# Altium PCB 2019主控板v1.2.PcbDoc
Units mil, origin at the board's own origin, x right, y up, seen from the top; angles counter-clockwise.
Board outline 4475.03 x 3396.53 mil, 2 copper layers (Top Layer, Bottom Layer); 71 components, 140 nets, 418 pads, 77 vias.
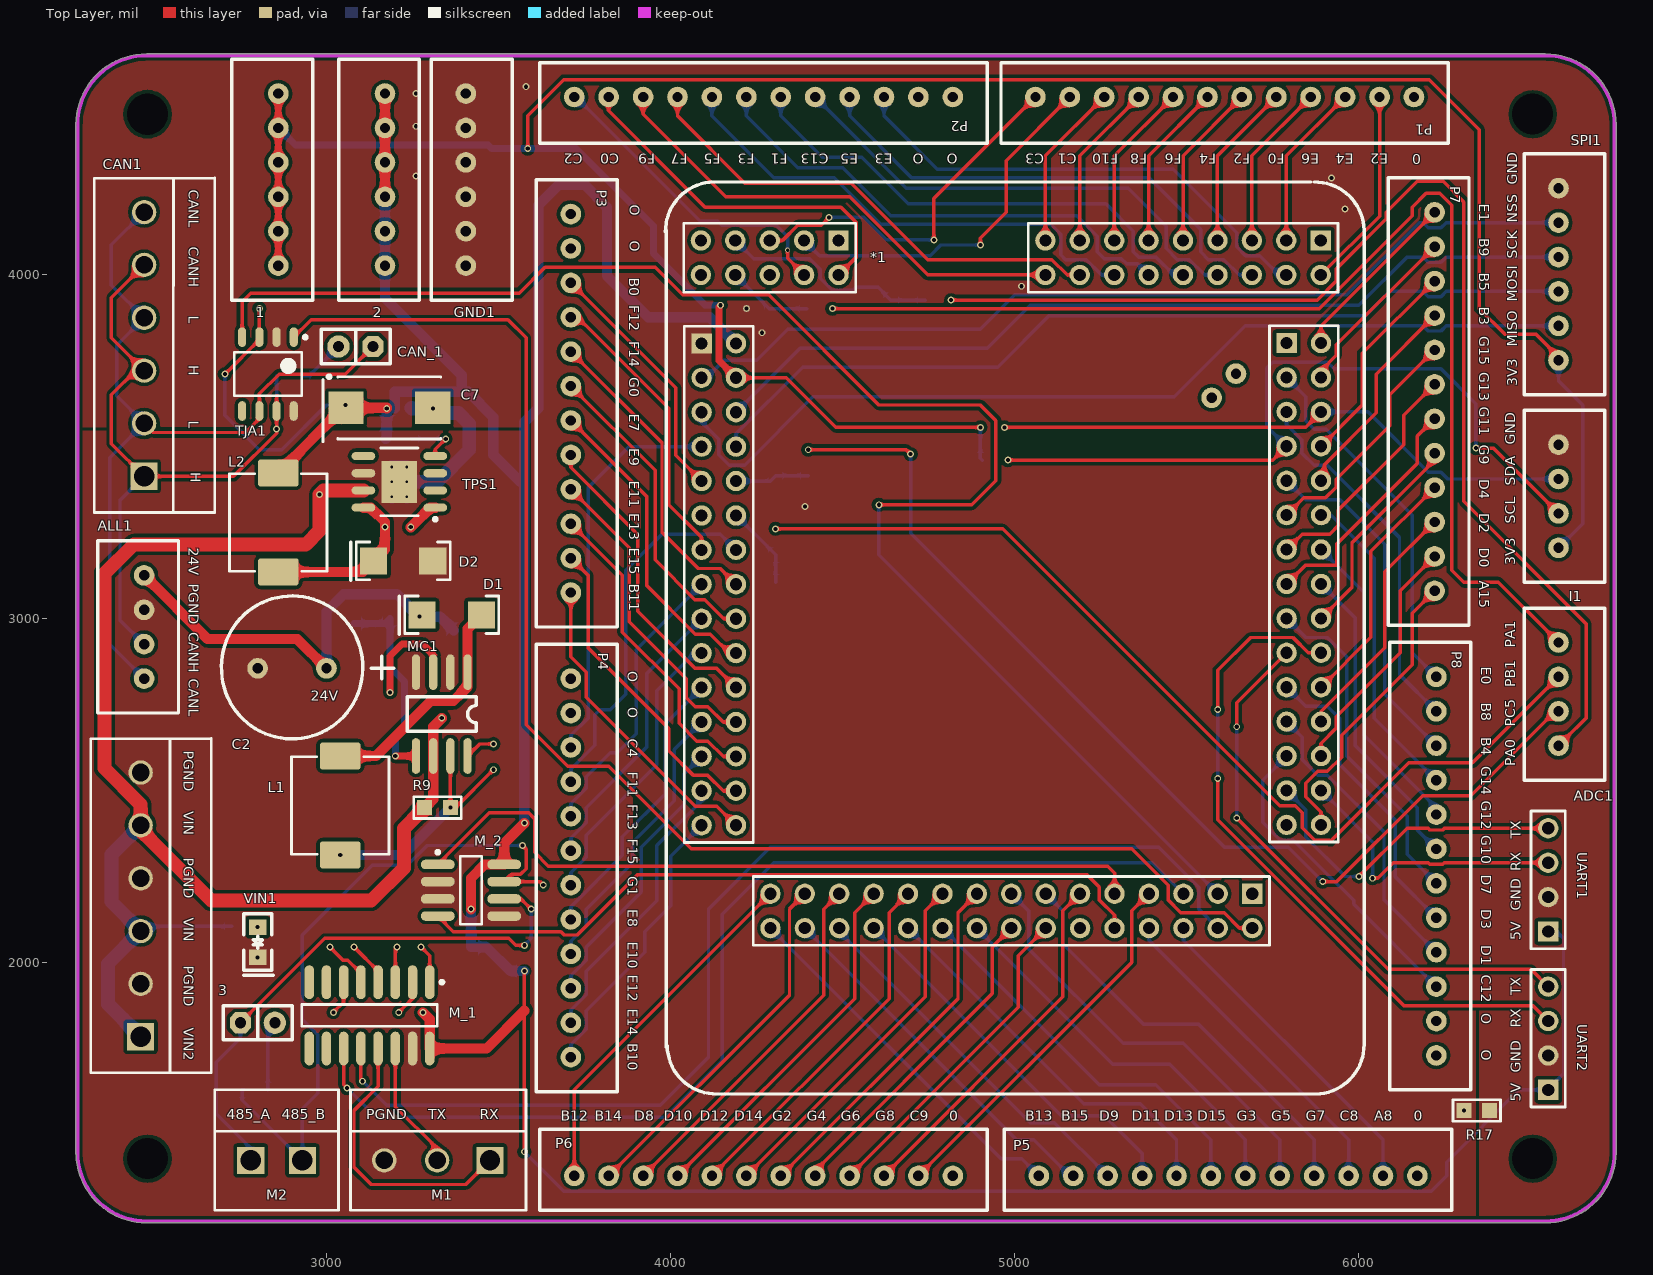
[diagram p0: Top Layer view]
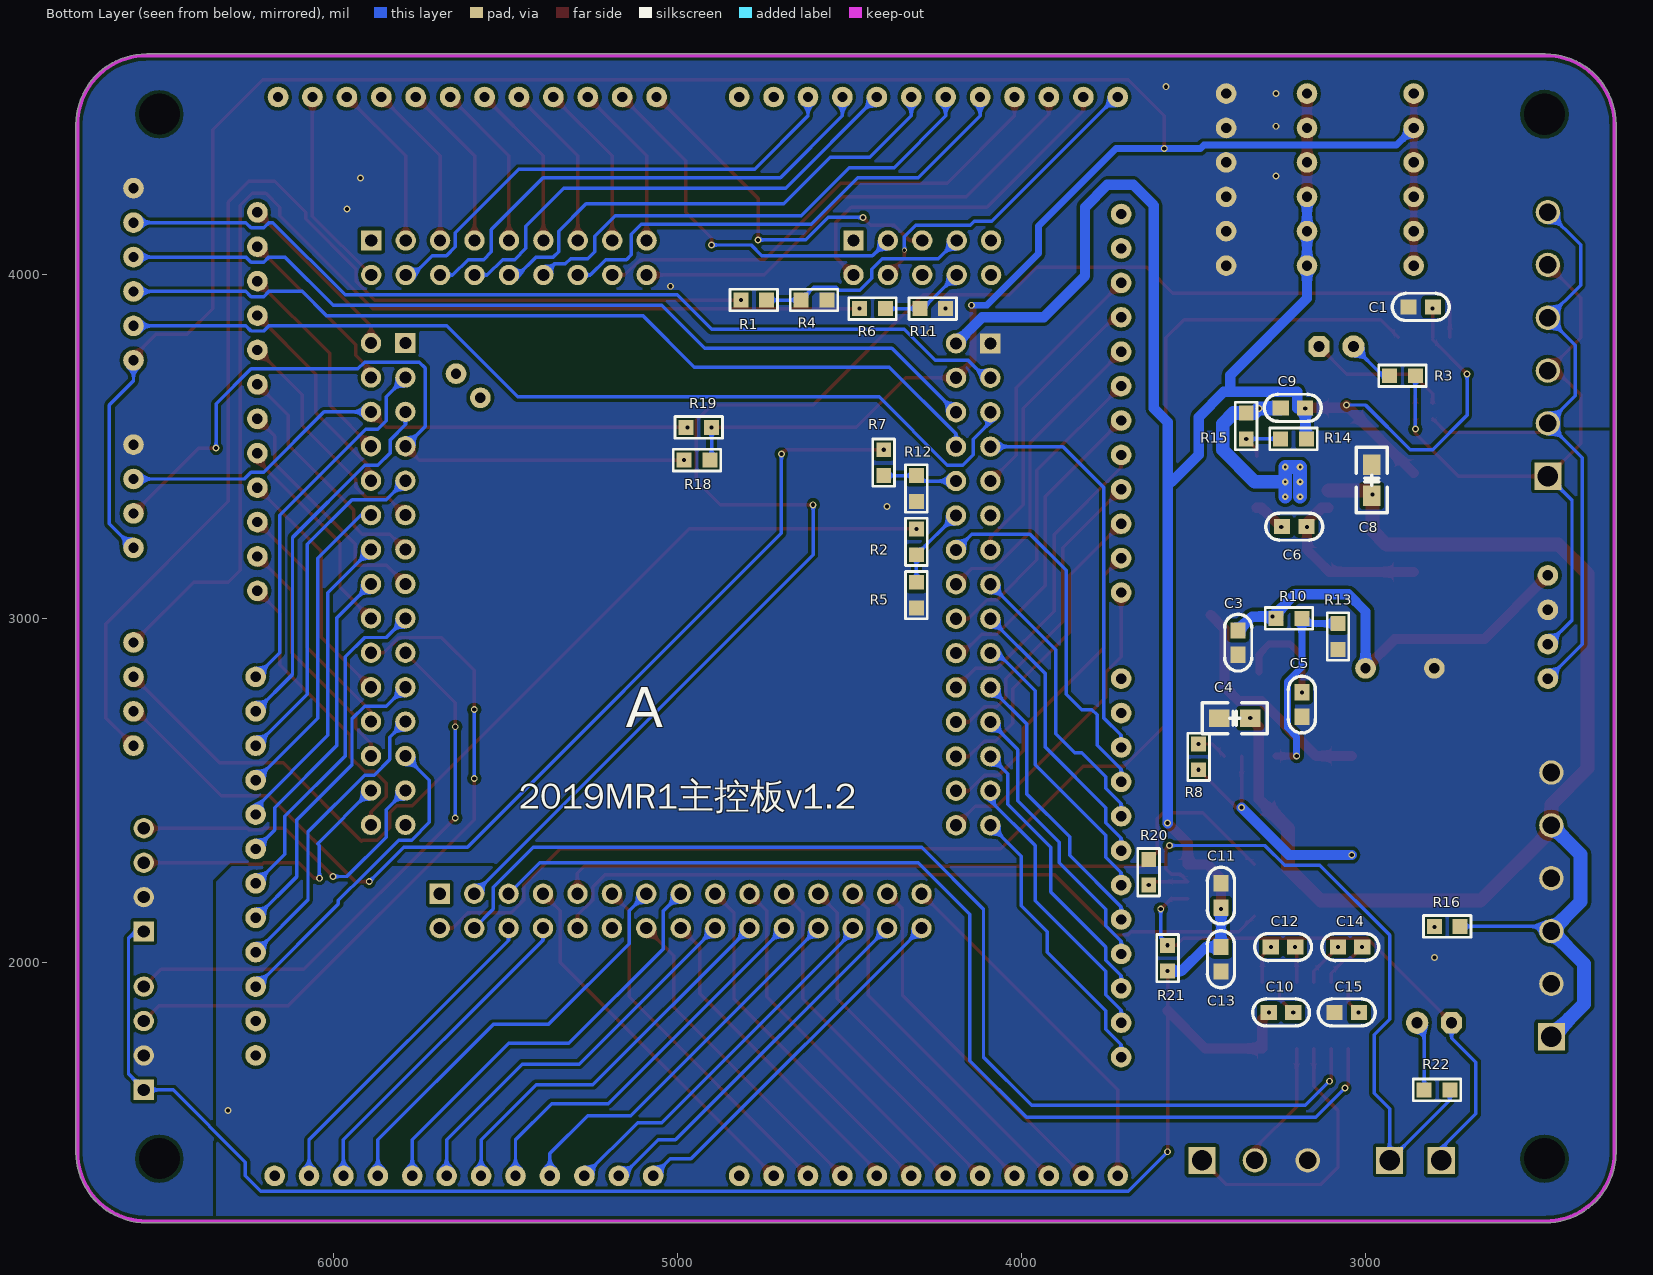
[diagram p1: Bottom Layer view, seen from below]

## Layer stack, top to bottom
Top Solder: solder mask 0.4, Solder Resist, Dk 3.5
Top Layer: signal copper 1.4
Dielectric 1: dielectric 12.6, FR-4, Dk 4.8
Bottom Layer: signal copper 1.4
Bottom Solder: solder mask 0.4, Solder Resist, Dk 3.5

## Board outline
2272.1,1442.88 2272.1,4432.91 cw(c2277.12,4432.91) 2272.21,4433.93 cw(c2277.1,4435.01) 2272.09,4435.01 cw(c2477.1,4435.01) 2477.1,4640.03 cw(c2477.1,4635.01) 2477.44,4640.02 6444.68,4640.02 cw(c6445.01,4635.01) 6445.01,4640.03 6542.1,4640.03 cw(c6542.1,4435.01) 6747.12,4435.01 6747.12,1448.52 cw(c6542.1,1448.52) 6542.1,1243.5 2477.12,1243.5 cw(c2477.12,1448.52) 2272.21,1441.85 cw(c2277.12,1442.88)

## Design rules (kind name [scope] priority, off if disabled: settings)
Clearance [All] p1: gap=10 ignorepadtopadclearanceinfootprint=FALSE except(0: Arc-Hole Track-Hole SMDPad-Hole THPad-Hole Via-Hole Fill-Hole Poly-Hole Region-Hole Text-Hole)
PlaneConnect [All] p1: planeconnectstyle=Direct reliefexpansion=20 reliefentries=4 reliefconductorwidth=10 reliefairgap=10
PolygonConnect [All] p1: connectstyle=Direct reliefconductorwidth=10 reliefentries=4 polygonreliefangle="90 Angle" airgapwidth=10
RoutingVias [All] p1: holewidth=12 width=20 viastyle="Through Hole" minholewidth=28 minwidth=50 maxholewidth=28 maxwidth=50
SolderMaskExpansion [All] p1: expansion=4
Width [All] p1: maxlimit=100 minlimit=10 preferedwidth=10 minimp=50.000000 maximp=50.000000 favimp=50.000000
29 further rules are at their usual default settings.

## Components (designator, comment, footprint, x,y, rotation, side; value= is the part's Value field where it differs from the comment)
1 "Header 6" XH-2.54PIN6 1335,-24205 r270 top
2 "Header 6" XH-2.54PIN6 1645,-24205 r270 top
3 "Header 2" SIP2 2850,1825 r180 top
*1 "STM32F407" STM32F407 5080,3178 r270 top
ADC1 "Header 4" XH-2.54pin4 6225,1435 r90 top
ALL1 "Header 4" XH-2.54pin4 2825,4320 r270 top
C1 "Cap" CAP-MLCC-0603 2875,3905 r0 bottom value=0.1uF
C2 "100uF" C_ELE 3000,2855 r180 top value=*μF
C3 "Cap" CAP-MLCC-0603 3370,2894.13 r270 bottom value=0.1uF
C4 "Cap" 0805C 3425,2710 r180 bottom value=10uF
C5 "Cap" CAP-MLCC-0603 3185,2714.13 r270 bottom value=470pF
C6 "Cap" CAP-MLCC-0603 3242.52,3266.69 r0 bottom value=0.1uF
C7 "Cap Pol1" CAP-TAN-7343/CAPD 3056.65,3611.69 r0 top value=220uF
C8 "Cap" 0805C 2981.65,3446.69 r270 bottom value=10uF
C9 "Cap" CAP-MLCC-0603 3246.65,3611.69 r0 bottom value=0.1uF
C10 "0.1μF" CAP-MLCC-0603 3210,1855 r180 bottom value=*μF
C11 "0.1μF" CAP-MLCC-0603 3420,2159.13 r270 bottom value=*μF
C12 "0.1μF" CAP-MLCC-0603 3204.13,2045 r180 bottom value=*μF
C13 "0.1μF" CAP-MLCC-0603 3420,2045 r90 bottom value=*μF
C14 "0.1μF" CAP-MLCC-0603 3009.13,2045 r180 bottom value=*μF
C15 "0.1μF" CAP-MLCC-0603 3090,1855 r0 bottom value=*μF
CAN1 "Header 6" Green_6P 2375,3487.91 r90 top
CAN_1 "Header 2" SIP2 3035,3790 r0 top
D1 "Diode" SS34 3366.35,3014 r0 top
D2 "Diode" SS34 3225.25,3170.69 r0 top
GND1 "Header 6" XH-2.54PIN6 4930,32755 r90 top
I1 "Header 4" XH-2.54pin4 6225,2010 r90 top
L1 "Inductor" CD74 3036.27,2451.03 r180 top value=170uH
L2 "Inductor" CD74 2863.73,3283.97 r0 top value=47uH
M1 "Header 3" Green_3P 3400,1330 r180 top
M2 "Header 2" Green_2P 2855,1330 r180 top
M_1 "MAX232" SO-16_M 3125,1846.46 r270 top
M_2 "IC-MAX485" SO8_M 3420,2210 r0 top
MC1 "MC34063" SO8 3410,2843.81 r270 top
P1 "Header 12" XH-2.54PIN12 6090,4665 r0 top
P2 "Header 12" XH-2.54PIN12 4750,4665 r0 top
P3 "Header 12" XH-2.54PIN12 3560,4105 r90 top
P4 "Header 12" XH-2.54PIN12 3560,2755 r90 top
P5 "Header 12" XH-2.54PIN12 5140,1230 r180 top
P6 "Header 12" XH-2.54PIN12 3790,1230 r180 top
P7 "Header 12" XH-2.54PIN12 6370,3150 r270 top
P8 "Header 12" XH-2.54PIN12 6375,1800 r270 top
R1 "Res1" RES-0603 4740.2,3925 r180 bottom value=10K
R2 "Res1" RES-0603 4305,3185 r270 bottom value=10K
R3 "120Ω" RES-0603 2930,3705 r0 bottom value=*kΩ
R4 "Res1" RES-0603 4565.2,3925 r180 bottom value=10K
R5 "Res1" RES-0603 4305,3030.2 r270 bottom value=10K
R6 "Res1" RES-0603 4395.2,3900 r180 bottom value=10K
R7 "Res1" RES-0603 4400,3415.2 r270 bottom value=10K
R8 "Res1" RES-0603 3485,2560.2 r270 bottom value=180
R9 "Res1" RES-0603 3285.2,2450 r180 top value=0.22
R10 "Res1" RES-0603 3259.8,3000 r0 bottom value=19K
R11 "Res1" RES-0603 4220,3900 r180 bottom value=10K
R12 "Res1" RES-0603 4305,3340.2 r270 bottom value=10K
R13 "Res1" RES-0603 3080,2984.8 r90 bottom value=2.2K
R14 "Res1" RES-0603 3246.65,3521.69 r0 bottom value=10K
R15 "Res1" RES-0603 3346.65,3596.5 r90 bottom value=3.3K
R16 "Res1" RES-0603 2800,2105 r0 bottom value=10K
R17 "Res1" RES-0603 6305,1570 r180 top value=0
R18 "10k" RES-0603 4905.2,3460 r180 bottom value=*kΩ
R19 "10K" RES-0603 4900.2,3555 r180 bottom value=*kΩ
R20 "330" RES-0603 3630,2299.61 r90 bottom value=*kΩ
R21 "330" RES-0603 3575,2050 r90 bottom value=*kΩ
R22 "120Ω" RES-0603 2829.8,1630 r0 bottom value=*kΩ
SPI1 "Header 6" XH-2.54PIN6 8105,32480 r90 top
TJA1 "TJA1050" TJA1050 2830,3710 r270 top
TPS1 "TPS5430" TPS5430 3211.65,3396.69 r180 top
UART1 "Header 4" HDR1X4 6550,2090 r90 top
UART2 "Header 4" HDR1X4 6550,1630 r90 top
VIN1 "lED" 0805D 2800,2103 r270 top
VIN2 "Header 6" Green_6P 2365,1859.37 r90 top

## Footprints (in the part's own frame and the unit in brackets; to place one, negate y for a bottom-side part, rotate by r counter-clockwise, add the part's x,y. Pads: shape width x height; smd on the part's side, far side on the other; paste and mask are expansions set on the pad)
0805C [mil]
  rect 60x50 smd: 1(0,0) 2(90,0)
  silkscreen extent -50,-45 140,45
0805D [mil]
  rect 45x50 smd: A(0,0) K(88,0)
  silkscreen extent -39,-41 140,45, body extent 5,-25 85,24, height 43
C_ELE [mil]
  round 60 hole 30: 1(0,0) 2(200,0)
  silkscreen extent -195,-210 305,205
CAP-MLCC-0603 [mm]
  rect 1.2x1.1 smd: 1(0,0) 2(-1.8,0)
  silkscreen extent -3,-1 1.2,1, body extent -1.77,-0.47 -0.02,0.48, height 0.85
CAP-TAN-7343/CAPD [mm]
  rect 2.6x2.4 smd: 1(0,0) 2(6.4,0)
  silkscreen extent -1.7,-2.5 7,2.42
CD74 [mm]
  rrect20% 3x2 smd: 1(-0.095,-3.784) 2(-0.095,3.516)
  silkscreen extent -3.69,-3.73 3.51,3.47, body extent -3.68,-3.71 3.51,3.45, height 4
Green_2P [mm]
  rect 2x2 hole 1.5: 1(-1.905,-2.413) 2(1.905,-2.413)
  silkscreen extent -4.57,-7.62 4.57,1.27
Green_3P [mm]
  rect 2x2 hole 1.5: 1(-1.905,-2.413)
  round 1.8 hole 1.3: 2(1.995,-2.413) 3(5.895,-2.413)
  silkscreen extent -4.57,-7.62 8.38,1.27
Green_6P [mm]
  rect 2x2 hole 1.5: 1(-1.905,-2.413)
  round 1.8 hole 1.3: 2(1.995,-2.413) 3(5.895,-2.413) 4(9.795,-2.413) 5(13.695,-2.413) 6(17.595,-2.413)
  silkscreen extent -4.57,-7.63 20.12,1.27
HDR1X4 [mm] "Connector; Header; 4 Position"
  rect 1.5x1.5 hole 0.9: 1(0,0)
  round 1.5 hole 0.9: 2(2.54,0) 3(5.08,0) 4(7.62,0)
  silkscreen extent -1.27,-1.27 8.89,1.27
RES-0603 [mm]
  rect 1.1x1.1 smd: 1(0,0) 2(-1.9,0)
  silkscreen extent -2.7,-0.8 0.8,0.8, body extent -1.8,-0.47 -0.1,0.48, height 0.6
SIP2 [mil]
  round 65 hole 32: 1(0,0)
  oct 62x62 hole 32: 2(100,0)
  silkscreen extent -50,-50 150,50
SO8 [mil]
  oval 103.62x24 smd: 1(0.19,0) 2(0.19,-50) 3(0.19,-100) 4(0.19,-150) 5(243.81,-150) 6(243.81,-100) 7(243.81,-50) 8(243.81,0)
  silkscreen extent 72,-175 172,25
SO8_M [mm] "SOIC, 8-Leads, Body 4.9x3.9mm, Pitch 1.27mm, IPC Low Density"
  oval 2.5x0.7 smd: 1(-2.45,1.905) 2(-2.45,0.635) 3(-2.45,-0.635) 4(-2.45,-1.905) 5(2.45,-1.905) 6(2.45,-0.635) 7(2.45,0.635) 8(2.45,1.905)
  silkscreen extent -2.57,-2.5 0.8,2.93, body extent -2,-2.5 2,2.5, height 1.75
SO-16_M [mm] "SOIC, 16-Leads, Body 9.9x3.9mm, Pitch 1.27mm, IPC Low Density"
  oval 2.5x0.7 smd: 1(-2.45,4.445) 2(-2.45,3.175) 3(-2.45,1.905) 4(-2.45,0.635) 5(-2.45,-0.635) 6(-2.45,-1.905) 7(-2.45,-3.175) 8(-2.45,-4.445) 9(2.45,-4.445) 10(2.45,-3.175) 11(2.45,-1.905) 12(2.45,-0.635) 13(2.45,0.635) 14(2.45,1.905) 15(2.45,3.175) 16(2.45,4.445)
  silkscreen extent -2.57,-5 0.8,5.47, body extent -2,-5 2,5, height 1.75
SS34 [mm]
  rect 2x2 smd: A(2.125,-0.102) K(-2.25,-0.102)
  silkscreen extent -3.94,-1.52 3.4,1.3, body extent -2.48,-1.48 2.37,1.3, height 1.4
STM32F407 [mm]
  rect 1.5x1.5 hole 0.9: 1(-23.368,20.549) 19(-23.368,-15.037) 29(-15.773,-25.146) 59(24.841,15.494) 89(-15.799,18.034)
  round 1.5 hole 0.9: 2(-20.828,20.549) 3(-23.368,18.009) 4(-20.828,18.009) 5(-23.368,15.469) 6(-20.828,15.469) 7(-23.368,12.929) 8(-20.828,12.929) 9(-23.368,10.389) 10(-20.828,10.389) 11(-23.368,7.849) 12(-20.828,7.849) 13(-23.368,5.309) 14(-20.828,5.309) 15(-23.368,2.769) 16(-20.828,2.769) 17(-23.368,0.229) 18(-20.828,0.229) 20(-20.828,-15.037) 21(-23.368,-17.577) 22(-20.828,-17.577) 23(-23.368,-20.117) 24(-20.828,-20.117) 25(-23.368,-22.657) 26(-20.828,-22.657) 27(-23.368,-25.197) 28(-20.828,-25.197) 30(-15.773,-22.606) 31(-13.233,-25.146) 32(-13.233,-22.606) 33(-10.693,-25.146) 34(-10.693,-22.606) 35(-8.153,-25.146) 36(-8.153,-22.606) 37(-5.613,-25.146) 38(-5.613,-22.606) 39(-3.073,-25.146) 40(-3.073,-22.606) 41(-0.533,-25.146) 42(-0.533,-22.606) 43(2.007,-25.146) 44(2.007,-22.606) 45(4.547,-25.146) 46(4.547,-22.606) 47(7.087,-25.146) 48(7.087,-22.606) 49(9.627,-25.146) 50(9.627,-22.606) 51(12.167,-25.146) 52(12.167,-22.606) 53(14.707,-25.146) 54(14.707,-22.606) 55(17.247,-25.146) 56(17.247,-22.606) 57(19.787,-25.146) 58(19.787,-22.606) 60(27.381,15.494) 61(24.841,12.954) 62(27.381,12.954) 63(24.841,10.414) 64(27.381,10.414) 65(24.841,7.874) 66(27.381,7.874) 67(24.841,5.334) 68(27.381,5.334) 69(24.841,2.794) 70(27.381,2.794) 71(24.841,0.254) 72(27.381,0.254) 73(24.841,-2.286) 74(27.381,-2.286) 75(24.841,-4.826) 76(27.381,-4.826) 77(24.841,-7.366) 78(27.381,-7.366) 79(24.841,-9.906) 80(27.381,-9.906) 81(24.841,-12.446) 82(27.381,-12.446) 83(24.841,-14.986) 84(27.381,-14.986) 85(24.841,-17.526) 86(27.381,-17.526) 87(24.841,-20.066) 88(27.381,-20.066) 90(-15.799,20.574) 91(-13.259,18.034) 92(-13.259,20.574) 93(-10.719,18.034) 94(-10.719,20.574) 95(-8.179,18.034) 96(-8.179,20.574) 97(-5.639,18.034) 98(-5.639,20.574) 99(-3.099,18.034) 100(-3.099,20.574) 101(-0.559,18.034) 102(-0.559,20.574) 103(1.981,18.034) 104(1.981,20.574) 105(4.521,18.034) 106(4.521,20.574) 107(7.061,18.034) 108(7.061,20.574) 109(9.601,18.034) 110(9.601,20.574) 111(12.141,18.034) 112(12.141,20.574) 113(14.681,18.034) 114(14.681,20.574) 115(17.221,18.034) 116(17.221,20.574) 117(19.761,18.034) 118(19.761,20.574)
  round 1.524 hole 0.762: 119(-13.538,14.293) 120(-11.76,12.497)
  silkscreen extent -27.69,-27.81 39.62,23.75
TJA1050 [mm] "SOIC, 8-Leads, Body 4.90x3.90mm, Pitch 1.27mm, IPC Medium Density"
  oval 1.45x0.6 smd: 1(-2.725,1.905) 2(-2.725,0.635) 3(-2.725,-0.635) 4(-2.725,-1.905) 5(2.725,-1.905) 6(2.725,-0.635) 7(2.725,0.635) 8(2.725,1.905)
  silkscreen extent -2.85,-2.5 1.6,2.88, body extent -2,-2.5 2,2.5, height 1.75
TPS5430 [mm]
  oval 1.75x0.6 smd: 1(-2.65,1.905) 2(-2.65,0.635) 3(-2.65,-0.635) 4(-2.65,-1.905) 5(2.65,-1.905) 6(2.65,-0.635) 7(2.65,0.635) 8(2.65,1.905)
  rect 2.6x3.1 smd: 9(0,0)
  silkscreen extent -2.78,-2.5 1.38,2.88, body extent -2,-2.5 2,2.5, height 1.7
XH-2.54pin4 [mil]
  round 60 hole 30: 1(1195,-355) 2(1295,-355) 3(1395,-355) 4(1495,-355)
  silkscreen extent 1095,-490 1595,-255
XH-2.54PIN6 [mil]
  round 60 hole 30: 1(-28730,1525) 2(-28630,1525) 3(-28530,1525) 4(-28430,1525) 5(-28330,1525) 6(-28230,1525)
  silkscreen extent -28830,1390 -28130,1625
XH-2.54PIN12 [mil]
  round 60 hole 30: 1(-1030,-150) 2(-930,-150) 3(-830,-150) 4(-730,-150) 5(-630,-150) 6(-530,-150) 7(-430,-150) 8(-330,-150) 9(-230,-150) 10(-130,-150) 11(-30,-150) 12(70,-150)
  silkscreen extent -1130,-285 170,-50

## Part data
1 2 CAN1 GND1 SPI1 VIN2: "Header, 6-Pin", LatestRevisionDate=17-Jul-2002, LatestRevisionNote="Re-released for DXP Platform.", Publisher="Altium Limited"
3 CAN_1 M2: "Header, 2-Pin", LatestRevisionDate=17-Jul-2002, LatestRevisionNote="Re-released for DXP Platform.", Publisher="Altium Limited"
ADC1 ALL1 I1 UART1 UART2: "Header, 4-Pin", LatestRevisionDate=17-Jul-2002, LatestRevisionNote="Re-released for DXP Platform.", Publisher="Altium Limited"
C1 C3 C4 C5 C6 C8 C9: "Capacitor", LatestRevisionDate=17-Jul-2002, LatestRevisionNote="Re-released for DXP Platform.", PackageReference=RAD-0.3, Published=8-Jun-2000, Publisher="Altium Limited"
C2: library part CAP-ELE, "电解电容", LatestRevisionDate=17-Jul-2002, LatestRevisionNote="Re-released for DXP Platform.", PackageDescription="Polarized Capacitor (Radial); 2 Leads", PackageReference=RB7.6-15, Published=8-Jun-2000, Publisher="Altium Limited"
C7: "Polarized Capacitor (Radial)", LatestRevisionDate=17-Jul-2002, LatestRevisionNote="Re-released for DXP Platform.", PackageReference=RB7.6-15, Published=8-Jun-2000, Publisher="Altium Limited"
C10 C11 C12 C13 C14 C15: library part CAP, "无极性电容", LatestRevisionDate=17-Jul-2002, LatestRevisionNote="Re-released for DXP Platform.", PackageDescription="Radial Cap, Thru-Hole; 2 Leads; 0.3 in Pin Spacing", PackageReference=RAD-0.3, Published=8-Jun-2000, Publisher="Altium Limited"
M1: "Header, 3-Pin", LatestRevisionDate=17-Jul-2002, LatestRevisionNote="Re-released for DXP Platform.", Publisher="Altium Limited"
M_1: library part IC-MAX232
M_2: "MAX485"
P1 P2 P3 P4 P5 P6 P7 P8: "Header, 12-Pin", LatestRevisionDate=17-Jul-2002, LatestRevisionNote="Re-released for DXP Platform.", Publisher="Altium Limited"
R1 R2 R4 R5 R6 R7 R8 R9 R10 R11 R12 R13 R14 R15 R16 R17: "Resistor", LatestRevisionDate=17-Jul-2002, LatestRevisionNote="Re-released for DXP Platform.", PackageReference=AXIAL-0.3, Published=8-Jun-2000, Publisher="Altium Limited"
R3 R18 R19 R20 R21 R22: library part RES, "电阻", LatestRevisionDate=17-Jul-2002, LatestRevisionNote="Re-released for DXP Platform.", PackageDescription="Axial Device, Thru-Hole; 2 Leads; 0.3 in Pin Spacing", PackageReference=AXIAL-0.3, Published=8-Jun-2000, Publisher="Altium Limited"
TJA1: "CAN总线收发器"
VIN1: library part 00-D-LED, "LED"
L1 L2: Code_IEC=1005, Code_JEITA=0402, LatestRevisionDate=17-Jul-2002, LatestRevisionNote="Re-released for DXP Platform.", PackageReference=0402-A, Published=8-Jun-2000, Publisher="Altium Limited"

## Free pads (board coordinates)
  round 60 hole 119: 2(2480,1430) 5(6505,4465) 6(6505,1430)
  round 60 hole 120: 4(2480,4465)

## Via types
v1: diameter 20, hole 12, Top Layer to Bottom Layer, 70 vias
v2: diameter 19.68, hole 7.87, Top Layer to Bottom Layer, 6 vias
v3: diameter 15, hole 10, Top Layer to Bottom Layer, 1 vias
